# KiCad board sbc.kicad_pcb (continued)
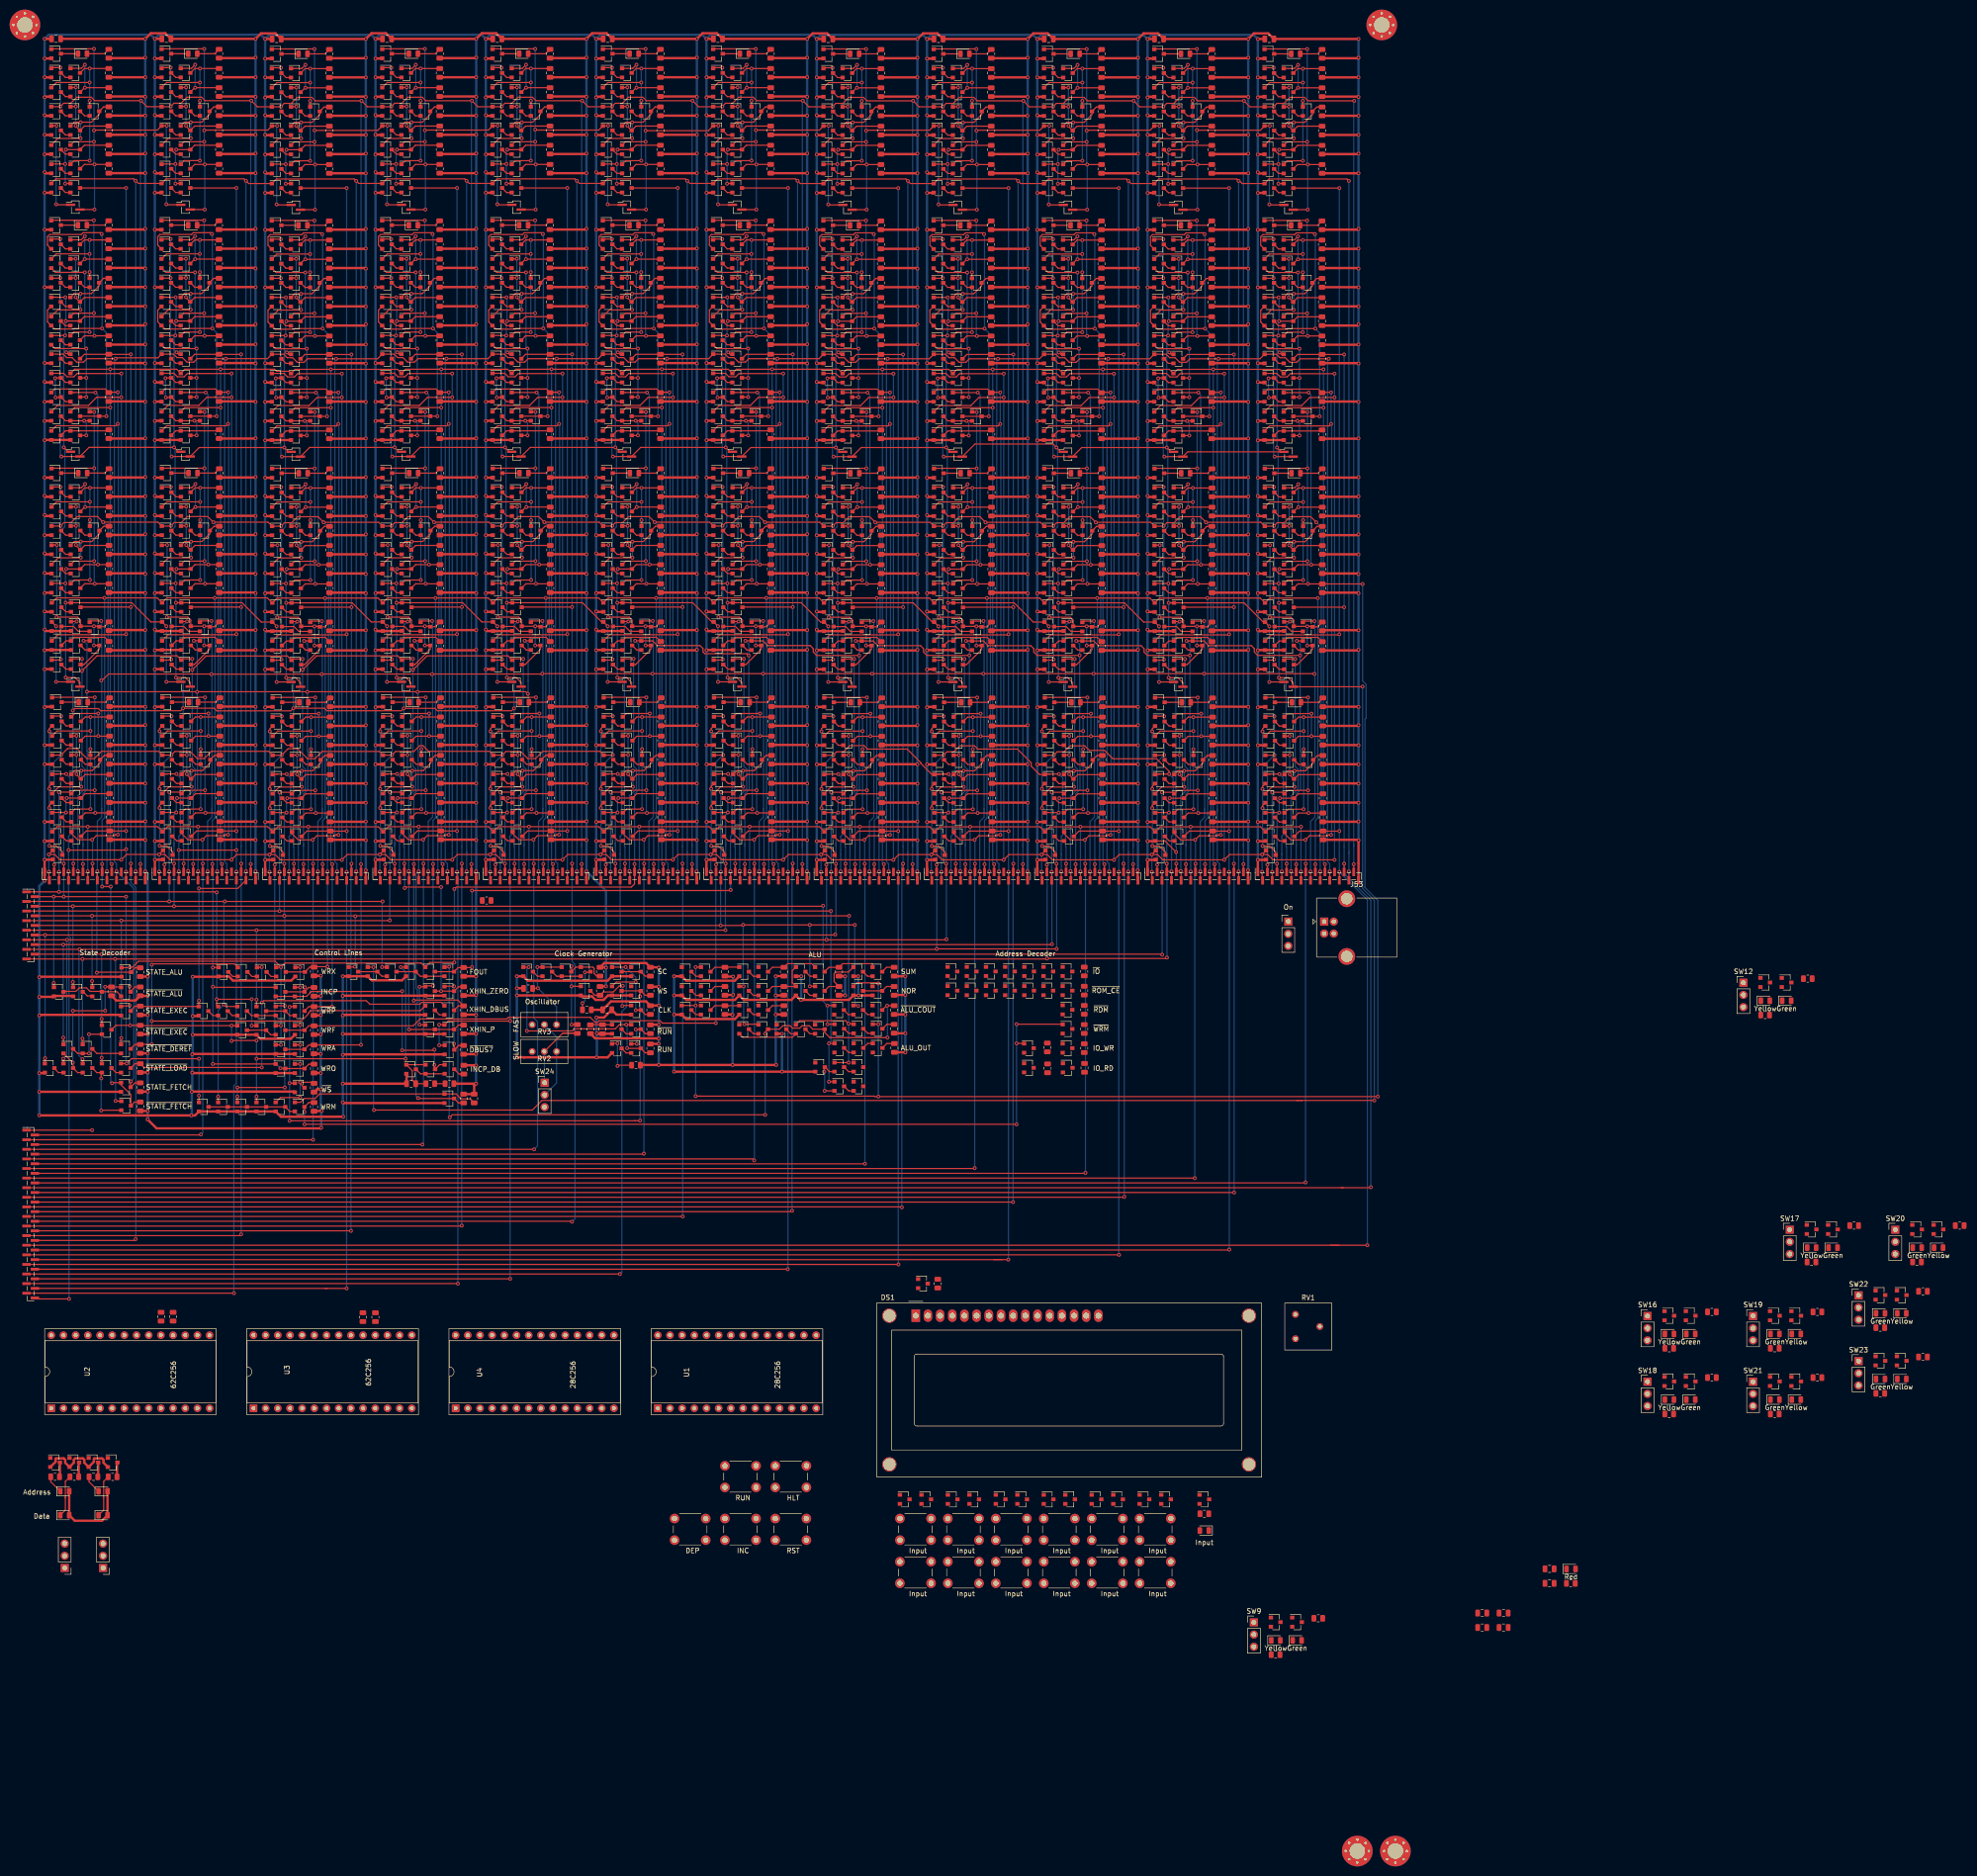
[diagram p0: board, top side]
## Nets (continued)
/Bit 1/S Register/State FF/CLR: Q518.3 Q1024.2 Q1025.2 Q1030.2
/Bit 1/X Register/X DFF/D: Q966.3 Q968.3 Q969.3 Q970.3 Q989.1 R404.2
/Bit 1/~{XIN}: J39.2 J43.1 Q884.1 Q895.1 Q898.3 Q910.1 Q974.1 R375.2
/Bit 2/A Register/A DFF/~{Q}: Q867.1 Q871.1 Q874.3 R366.2
/Bit 2/AIN: J34.2 J38.1 Q786.3 Q790.1 Q791.1 Q882.1 R329.2
/Bit 2/INCP_CLK: J40.2 J44.1 Q926.1 Q929.1 Q973.1 Q990.1 Q1003.1 Q1006.3 Q1014.1 R418.2
/Bit 2/P Register/P DFF/CLR: Q911.3 Q912.3 Q925.2 Q926.2 Q931.2
/Bit 2/P Register/P DFF/Q: Q918.3 Q922.1 Q923.1 R381.2
/Bit 2/P Register/P DFF/SET: Q909.3 Q910.3 Q920.2 Q921.2
/Bit 2/S Register/State FF/CLR: Q517.3 Q941.2 Q942.2 Q947.2
/Bit 2/X Register/X DFF/D: Q883.3 Q885.3 Q886.3 Q887.3 Q906.1 R370.2
/Bit 2/XOUT: Q893.3 Q897.1 Q898.1 Q912.1 R372.2
/Bit 2/~{XIN}: J35.2 J39.1 Q801.1 Q812.1 Q815.3 Q827.1 Q891.1 R341.2
/Bit 3/A Register/A DFF/~{Q}: Q784.1 Q788.1 Q791.3 R332.2
/Bit 3/AIN: J30.2 J34.1 Q703.3 Q707.1 Q708.1 Q799.1 R295.2
/Bit 3/INCP_CLK: J36.2 J40.1 Q843.1 Q846.1 Q890.1 Q907.1 Q920.1 Q923.3 Q931.1 R384.2
/Bit 3/P Register/P DFF/CLR: Q828.3 Q829.3 Q842.2 Q843.2 Q848.2
/Bit 3/P Register/P DFF/Q: Q835.3 Q839.1 Q840.1 R347.2
/Bit 3/P Register/P DFF/SET: Q826.3 Q827.3 Q837.2 Q838.2
/Bit 3/S Register/State FF/CLR: Q435.3 Q858.2 Q859.2 Q864.2
/Bit 3/SOUT: J33.4 Q851.3 Q855.1 Q856.1 R354.2
/Bit 3/X Register/X DFF/D: Q800.3 Q802.3 Q803.3 Q804.3 Q823.1 R336.2
/Bit 3/XOUT: Q810.3 Q814.1 Q815.1 Q829.1 R338.2
/Bit 3/~{XIN}: J31.2 J35.1 Q718.1 Q729.1 Q732.3 Q744.1 Q808.1 R307.2
/Bit 4/A Register/A DFF/~{Q}: Q701.1 Q705.1 Q708.3 R298.2
/Bit 4/AIN: J26.2 J30.1 Q620.3 Q624.1 Q625.1 Q716.1 R261.2
/Bit 4/INCP_CLK: J32.2 J36.1 Q760.1 Q763.1 Q807.1 Q824.1 Q837.1 Q840.3 Q848.1 R350.2
/Bit 4/P Register/P DFF/CLR: Q745.3 Q746.3 Q759.2 Q760.2 Q765.2
/Bit 4/P Register/P DFF/Q: Q752.3 Q756.1 Q757.1 R313.2
/Bit 4/P Register/P DFF/SET: Q743.3 Q744.3 Q754.2 Q755.2
/Bit 4/S Register/State FF/CLR: Q434.3 Q775.2 Q776.2 Q781.2
/Bit 4/SOUT: J29.4 Q768.3 Q772.1 Q773.1 R320.2
/Bit 4/X Register/X DFF/D: Q717.3 Q719.3 Q720.3 Q721.3 Q740.1 R302.2
/Bit 4/XOUT: Q727.3 Q731.1 Q732.1 Q746.1 R304.2
/Bit 4/~{XIN}: J27.2 J31.1 Q635.1 Q646.1 Q649.3 Q661.1 Q725.1 R273.2
/Bit 5/A Register/A DFF/~{Q}: Q618.1 Q622.1 Q625.3 R264.2
/Bit 5/AIN: J22.2 J26.1 Q537.3 Q541.1 Q542.1 Q633.1 R227.2
/Bit 5/INCP_CLK: J28.2 J32.1 Q677.1 Q680.1 Q724.1 Q741.1 Q754.1 Q757.3 Q765.1 R316.2
/Bit 5/P Register/P DFF/CLR: Q662.3 Q663.3 Q676.2 Q677.2 Q682.2
/Bit 5/P Register/P DFF/Q: Q669.3 Q673.1 Q674.1 R279.2
/Bit 5/P Register/P DFF/SET: Q660.3 Q661.3 Q671.2 Q672.2
/Bit 5/S Register/State FF/CLR: Q352.3 Q692.2 Q693.2 Q698.2
/Bit 5/X Register/X DFF/D: Q634.3 Q636.3 Q637.3 Q638.3 Q657.1 R268.2
/Bit 5/XOUT: Q644.3 Q648.1 Q649.1 Q663.1 R270.2
/Bit 5/~{XIN}: J23.2 J27.1 Q552.1 Q563.1 Q566.3 Q578.1 Q642.1 R239.2
/Bit 6/A Register/A DFF/~{Q}: Q535.1 Q539.1 Q542.3 R230.2
/Bit 6/AIN: J18.2 J22.1 Q454.3 Q458.1 Q459.1 Q550.1 R193.2
/Bit 6/INCP_CLK: J24.2 J28.1 Q594.1 Q597.1 Q641.1 Q658.1 Q671.1 Q674.3 Q682.1 R282.2
/Bit 6/P Register/P DFF/CLR: Q579.3 Q580.3 Q593.2 Q594.2 Q599.2
/Bit 6/P Register/P DFF/Q: Q586.3 Q590.1 Q591.1 R245.2
/Bit 6/P Register/P DFF/SET: Q577.3 Q578.3 Q588.2 Q589.2
/Bit 6/S Register/State FF/CLR: Q351.3 Q609.2 Q610.2 Q615.2
/Bit 6/SOUT: J21.4 Q602.3 Q606.1 Q607.1 R252.2
/Bit 6/X Register/X DFF/D: Q551.3 Q553.3 Q554.3 Q555.3 Q574.1 R234.2
/Bit 6/XOUT: Q561.3 Q565.1 Q566.1 Q580.1 R236.2
/Bit 6/~{SOUT}: J21.5 Q604.1 Q607.3 R255.2
/Bit 6/~{XIN}: J19.2 J23.1 Q469.1 Q480.1 Q483.3 Q495.1 Q559.1 R205.2
/Bit 7/A Register/A DFF/~{Q}: Q452.1 Q456.1 Q459.3 R196.2
/Bit 7/AIN: J14.2 J18.1 Q371.3 Q375.1 Q376.1 Q467.1 R159.2
/Bit 7/INCP_CLK: J20.2 J24.1 Q511.1 Q514.1 Q558.1 Q575.1 Q588.1 Q591.3 Q599.1 R248.2
/Bit 7/P Register/P DFF/CLR: Q496.3 Q497.3 Q510.2 Q511.2 Q516.2
/Bit 7/P Register/P DFF/Q: Q503.3 Q507.1 Q508.1 R211.2
/Bit 7/P Register/P DFF/SET: Q494.3 Q495.3 Q505.2 Q506.2
/Bit 7/S Register/State FF/CLR: Q153.3 Q526.2 Q527.2 Q532.2
/Bit 7/SOUT: J17.4 Q519.3 Q523.1 Q524.1 R218.2
/Bit 7/X Register/X DFF/D: Q468.3 Q470.3 Q471.3 Q472.3 Q491.1 R200.2
/Bit 7/XOUT: Q478.3 Q482.1 Q483.1 Q497.1 R202.2
/Bit 7/~{SOUT}: J17.5 Q521.1 Q524.3 R221.2
/Bit 7/~{XIN}: J15.2 J19.1 Q386.1 Q397.1 Q400.3 Q412.1 Q476.1 R171.2
/Bit 8/A Register/A DFF/~{Q}: Q369.1 Q373.1 Q376.3 R162.2
/Bit 8/AIN: J10.2 J14.1 Q288.3 Q292.1 Q293.1 Q384.1 R125.2
/Bit 8/INCP_CLK: J16.2 J20.1 Q428.1 Q431.1 Q475.1 Q492.1 Q505.1 Q508.3 Q516.1 R214.2
/Bit 8/P Register/P DFF/CLR: Q413.3 Q414.3 Q427.2 Q428.2 Q433.2
/Bit 8/P Register/P DFF/Q: Q420.3 Q424.1 Q425.1 R177.2
/Bit 8/P Register/P DFF/SET: Q411.3 Q412.3 Q422.2 Q423.2
/Bit 8/S Register/State FF/CLR: Q152.3 Q443.2 Q444.2 Q449.2
/Bit 8/X Register/X DFF/D: Q385.3 Q387.3 Q388.3 Q389.3 Q408.1 R166.2
/Bit 8/XOUT: Q395.3 Q399.1 Q400.1 Q414.1 R168.2
/Bit 8/~{SOUT}: J13.5 Q438.1 Q441.3 R187.2
/Bit 8/~{XIN}: J11.2 J15.1 Q303.1 Q314.1 Q317.3 Q329.1 Q393.1 R137.2
/Bit 9/A Register/A DFF/~{Q}: Q286.1 Q290.1 Q293.3 R128.2
/Bit 9/AIN: J6.2 J10.1 Q89.3 Q93.1 Q94.1 Q301.1 R38.2
/Bit 9/INCP_CLK: J12.2 J16.1 Q345.1 Q348.1 Q392.1 Q409.1 Q422.1 Q425.3 Q433.1 R180.2
/Bit 9/P Register/P DFF/CLR: Q330.3 Q331.3 Q344.2 Q345.2 Q350.2
/Bit 9/P Register/P DFF/Q: Q337.3 Q341.1 Q342.1 R143.2
/Bit 9/P Register/P DFF/SET: Q328.3 Q329.3 Q339.2 Q340.2
/Bit 9/S Register/State FF/CLR: Q71.3 Q360.2 Q361.2 Q366.2
/Bit 9/X Register/X DFF/D: Q302.3 Q304.3 Q305.3 Q306.3 Q325.1 R132.2
/Bit 9/XOUT: Q312.3 Q316.1 Q317.1 Q331.1 R134.2
/Bit 9/~{XIN}: J7.2 J11.1 Q104.1 Q115.1 Q118.3 Q130.1 Q310.1 R50.2
/Bit 10/A Register/A DFF/~{Q}: Q87.1 Q91.1 Q94.3 R41.2
/Bit 10/AIN: J2.2 J6.1 Q4.1 Q7.3 Q11.1 Q102.1 R5.2
/Bit 10/INCP_CLK: J8.2 J12.1 Q146.1 Q149.1 Q309.1 Q326.1 Q339.1 Q342.3 Q350.1 R146.2
/Bit 10/P Register/P DFF/CLR: Q131.3 Q132.3 Q145.2 Q146.2 Q151.2
/Bit 10/P Register/P DFF/Q: Q138.3 Q142.1 Q143.1 R56.2
/Bit 10/P Register/P DFF/SET: Q129.3 Q130.3 Q140.2 Q141.2
/Bit 10/S Register/State FF/CLR: Q70.3 Q161.2 Q162.2 Q167.2
/Bit 10/X Register/X DFF/D: Q103.3 Q105.3 Q106.3 Q107.3 Q126.1 R45.2
/Bit 10/XOUT: Q113.3 Q117.1 Q118.1 Q132.1 R47.2
/Bit 10/~{XIN}: J3.2 J7.1 Q22.1 Q33.1 Q35.3 Q48.1 Q111.1 R16.2
/Bit 11/A Register/A DFF/~{Q}: Q5.1 Q9.1 Q11.3 R7.2
/Bit 11/INCP_CLK: J5.2 J8.1 Q63.1 Q66.1 Q110.1 Q127.1 Q140.1 Q143.3 Q151.1 R59.2
/Bit 11/P Register/P DFF/CLR: Q49.3 Q50.3 Q62.2 Q63.2 Q68.2
/Bit 11/P Register/P DFF/Q: Q44.1 Q56.3 Q60.1 R23.2
/Bit 11/P Register/P DFF/SET: Q47.3 Q48.3 Q58.2 Q59.2
/Bit 11/S Register/State FF/CLR: Q1.3 Q78.2 Q79.2 Q84.2
/Bit 11/X Register/X DFF/D: Q21.3 Q23.3 Q24.3 Q25.3 Q43.1 R12.2
/Bit 11/XOUT: Q20.1 Q31.3 Q35.1 Q50.1 R14.2
/Bit 11/~{P}: J5.1 Q28.1 Q45.1 Q58.1 Q60.3 Q68.1 R25.2
A0: J46.2 Q243.1 Q245.1 Q282.1 Q1035.3 Q1039.1 Q1040.1 R431.2
ABUS0: J45.19 J50.13 Q601.1 Q1050.3 Q1073.3 Q1144.1 R429.2 U1.10 U2.10 U3.10 U4.10
ABUS1: J41.19 J50.14 Q683.1 Q967.3 Q990.3 Q1142.1 R395.2 U1.9 U2.9 U3.9 U4.9
ABUS2: J37.19 J50.15 Q684.1 Q884.3 Q907.3 Q1140.1 R361.2 U1.8 U2.8 U3.8 U4.8
ABUS3: J33.19 J50.16 Q766.1 Q801.3 Q824.3 Q1138.1 R327.2 U1.7 U2.7 U3.7 U4.7
ABUS4: J29.19 J50.17 Q718.3 Q741.3 Q767.1 Q1136.1 R293.2 U1.6 U2.6 U3.6 U4.6
ABUS5: J25.19 J50.18 Q635.3 Q658.3 Q849.1 Q1134.1 R259.2 U1.5 U2.5 U3.5 U4.5
ABUS6: J21.19 J50.19 Q552.3 Q575.3 Q850.1 Q1132.1 R225.2 U1.4 U2.4 U3.4 U4.4
ABUS7: J17.19 J50.20 Q469.3 Q492.3 Q932.1 Q1130.1 R191.2 U1.3 U2.3 U3.3 U4.3
ABUS8: J13.19 J50.21 Q386.3 Q409.3 Q933.1 Q1128.1 R157.2 U1.25 U2.25 U3.25 U4.25
ABUS9: J9.19 J50.22 Q303.3 Q326.3 Q1015.1 Q1124.1 R123.2 U1.24 U2.24 U3.24 U4.24
ABUS10: J4.19 J50.23 Q104.3 Q127.3 Q1016.1 Q1121.1 R36.2 U1.21 U2.21 U3.21 U4.21
ABUS11: J1.19 J50.24 Q22.3 Q45.3 Q1098.1 Q1099.1 Q1119.1 R2.2 U2.20 U3.20
ALU_NOR: Q271.1 Q282.3 Q283.3 R122.2
ALU_OUT: J2.1 Q19.1 Q261.3 R119.2
ALU_SUM: Q257.3 Q272.1 R117.2
CDIV: J45.4 Q234.1 Q1100.3 Q1104.1 Q1105.1 R456.2
CLK: J45.3 Q226.1 Q231.3 Q233.1 Q1108.1 Q1111.1 R97.2
DBUS0: DS1.7 J45.18 J50.25 Q1031.3 Q1033.3 Q1058.1 Q1145.1 R430.2 SW31.1 U1.11 U2.11
DBUS1: DS1.8 J41.18 J50.26 Q948.3 Q950.3 Q975.1 Q1143.1 R396.2 SW30.1 U1.12 U2.12
DBUS2: DS1.9 J37.18 J50.27 Q865.3 Q867.3 Q892.1 Q1141.1 R362.2 SW29.1 U1.13 U2.13
DBUS3: DS1.10 J33.18 J50.28 Q782.3 Q784.3 Q809.1 Q1139.1 R328.2 SW28.1 U1.15 U2.15
DBUS4: DS1.11 J29.18 J50.29 Q699.3 Q701.3 Q726.1 Q1137.1 R294.2 SW27.1 U1.16 U2.16
DBUS5: DS1.12 J25.18 J50.30 Q616.3 Q618.3 Q643.1 Q1135.1 R260.2 SW26.1 U1.17 U2.17
DBUS6: DS1.13 J21.6 J21.18 J50.31 Q533.3 Q535.3 Q560.1 Q615.1 Q1133.1 R226.2 SW25.1 U3.11 U4.11
DBUS7: DS1.14 J17.6 J17.18 J50.32 Q191.1 Q197.1 Q450.3 Q452.3 Q477.1 Q532.1 Q1131.1 R192.2 SW15.1 U3.12 U4.12
DBUS8: J13.6 J13.18 J50.33 Q367.3 Q369.3 Q394.1 Q449.1 Q1127.1 Q1129.1 R158.2 SW14.1 U3.13 U4.13
DBUS9: J9.6 J9.18 J50.34 Q284.3 Q286.3 Q311.1 Q366.1 Q1125.1 R124.2 SW11.1 U3.15 U4.15
DBUS10: J4.6 J4.18 J50.35 Q85.3 Q87.3 Q112.1 Q167.1 Q1122.1 R37.2 SW10.1 U3.16 U4.16
DBUS11: J1.6 J1.18 J50.36 Q2.3 Q5.3 Q30.1 Q84.1 Q1120.1 R3.2 SW1.1 U3.17 U4.17
DEP: J1.10 J4.10 J9.10 J13.10 J17.10 J21.10 J25.10 J29.10 J33.10 J37.10 J41.10 J45.10 Q3.1 Q86.1 Q285.1 Q368.1 Q451.1 Q534.1 Q617.1 Q700.1 Q783.1 Q866.1 Q949.1 Q1032.1 Q1123.3 R478.2
F: J25.4 J49.8 Q259.1 Q262.1 Q265.1 Q267.1 Q685.3 Q689.1 Q690.1 R286.2
FAST_IN: RV2.3 RV3.2 SW24.2
FAST_OUT: R93.1 RV2.2 SW24.1
INCP_CLK: J48.2 Q195.3 Q196.3 Q1092.1 Q1095.1 R84.2
INCP_DB: Q195.2 Q196.2 Q240.3 Q241.1
IO_RD: Q249.3 Q1117.1 Q1146.1 Q1147.1 Q1148.1 Q1149.1 Q1150.1 Q1151.1 Q1152.1 Q1153.1 Q1154.1 Q1155.1 Q1156.1 Q1157.1 R94.2
IO_WR: DS1.6 Q1126.3 R463.2
NEXTF: J25.6 Q212.3 Q213.3 Q698.1 R90.2
OP2: J13.4 J49.7 Q169.1 Q436.3 Q440.1 Q441.1 R184.2
OP3: J9.4 J49.5 Q269.1 Q276.1 Q278.1 Q353.3 Q357.1 Q358.1 R150.2
OP4: J4.4 J49.3 Q154.3 Q158.1 Q159.1 Q211.1 Q216.1 Q222.1 Q279.1 Q281.1 R63.2
OP5: J1.4 J49.1 Q69.1 Q72.3 Q76.1 Q206.1 Q214.1 R30.2
RDA_DBUS: J1.20 J4.20 J9.20 J13.20 J17.20 J21.20 J25.20 J29.20 J33.20 J37.20 J41.20 J45.20 Q6.1 Q88.1 Q184.3 Q215.1 Q287.1 Q370.1 Q453.1 Q536.1 Q619.1 Q702.1 Q785.1 Q868.1 Q951.1 Q1034.1 R78.2
RDM: Q173.3 Q184.1 Q205.1 Q217.1 Q224.1 Q250.1 Q1116.1 R73.2
RDP_ABUS: J1.16 J4.16 J9.16 J13.16 J17.16 J21.16 J25.16 J29.16 J33.16 J37.16 J41.16 J45.16 Q46.1 Q128.1 Q183.3 Q327.1 Q410.1 Q493.1 Q576.1 Q659.1 Q742.1 Q825.1 Q908.1 Q991.1 Q1074.1 R77.2
RDX_ABUS: J1.13 J4.13 J9.13 J13.13 J17.13 J21.13 J25.13 J29.13 J33.13 J37.13 J41.13 J45.13 Q27.1 Q109.1 Q170.3 Q183.1 Q185.1 Q187.1 Q190.1 Q195.1 Q210.1 Q308.1 Q391.1 Q474.1 Q557.1 Q640.1 Q723.1 Q806.1 Q889.1 Q972.1 Q1055.1 R70.2
RUN: Q235.1 Q236.1 Q237.3 R101.2
S0: J41.4 J49.14 Q171.1 Q173.1 Q1017.3 Q1021.1 Q1022.1 R422.2
S1: J37.4 J49.12 Q174.1 Q934.3 Q938.1 Q939.1 R388.2
SC: J41.3 Q226.3 Q227.3 Q1025.1 Q1028.1 R92.2
STATE_ALU: J1.12 J4.12 J9.12 J13.12 J17.12 J21.12 J25.12 J29.12 J33.12 J37.12 J41.12 J45.12 Q24.1 Q106.1 Q177.3 Q305.1 Q388.1 Q471.1 Q554.1 Q637.1 Q720.1 Q803.1 Q886.1 Q969.1 Q1052.1 R75.2
WRA: J1.21 J4.21 J9.21 J13.21 J17.21 J21.21 J25.21 J29.21 J33.21 J37.21 J41.21 J45.21 Q14.1 Q17.1 Q97.1 Q100.1 Q193.3 Q194.3 Q296.1 Q299.1 Q379.1 Q382.1 Q462.1 Q465.1 Q545.1 Q548.1 Q628.1 Q631.1 Q711.1 Q714.1 Q794.1 Q797.1 Q877.1 Q880.1 Q960.1 Q963.1 Q1043.1 Q1046.1 R83.2
WRF: J25.3 Q199.3 Q200.3 Q693.1 Q696.1 R87.2
WRM: Q218.3 Q1115.1 Q1118.1 R91.2
WRO: J1.3 J4.3 J9.3 J13.3 J17.3 J21.3 Q79.1 Q82.1 Q162.1 Q165.1 Q185.3 Q186.3 Q361.1 Q364.1 Q444.1 Q447.1 Q527.1 Q530.1 Q610.1 Q613.1 R79.2
WRX: J1.14 J4.14 J9.14 J13.14 J17.14 J21.14 J25.14 J29.14 J33.14 J37.14 J41.14 J45.14 Q38.1 Q41.1 Q121.1 Q124.1 Q201.3 Q202.3 Q320.1 Q323.1 Q403.1 Q406.1 Q486.1 Q489.1 Q569.1 Q572.1 Q652.1 Q655.1 Q735.1 Q738.1 Q818.1 Q821.1 Q901.1 Q904.1 Q984.1 Q987.1 Q1067.1 Q1070.1 R88.2
WS: Q198.1 Q203.1 Q233.3 Q234.3 R98.2
X0: Q247.1 Q251.1 Q270.1 Q283.1 Q1059.3 Q1063.1 Q1064.1 Q1078.1 R440.2
X1: Q273.1 Q976.3 Q980.1 Q981.1 Q995.1 R406.2
XHIN_DBUS: J1.9 J4.9 J9.9 J13.9 J17.9 Q21.1 Q103.1 Q189.3 Q302.1 Q385.1 Q468.1 R81.2
XHIN_P: J1.8 J4.8 J9.8 J13.8 J17.8 Q23.1 Q105.1 Q190.3 Q191.3 Q304.1 Q387.1 Q470.1 R82.2
XHIN_ZERO: J1.7 J4.7 J9.7 J13.7 J17.7 Q25.1 Q107.1 Q187.3 Q188.3 Q306.1 Q389.1 Q472.1 R80.2
XLIN_DBUS: J21.9 J25.9 J29.9 J33.9 J37.9 J41.9 J45.9 Q176.3 Q177.1 Q193.1 Q199.1 Q201.1 Q213.1 Q551.1 Q634.1 Q717.1 Q800.1 Q883.1 Q966.1 Q1049.1 R74.2
~{ALU_COUT}: Q212.1 Q263.3 Q264.3 Q265.3 R118.2
~{ALU_OUT}: Q261.1 Q263.1 Q270.3 Q271.3 Q272.3 Q273.3 R121.2
~{CDIV}: J45.5 J45.6 Q227.1 Q1102.1 Q1105.3 Q1113.1 R459.2
~{DBUS7}: Q188.1 Q197.3 R85.2
~{DBUS8}: DS1.4 Q1127.3 R481.2
~{DEP_SW}: Q218.1 Q1123.1 R477.2 SW5.1
~{F}: J25.5 J49.9 Q209.1 Q687.1 Q690.3 R289.2
~{INCP_SW}: R103.2 R106.2 SW8.1
~{IO}: Q250.2 Q601.3 Q1114.1 Q1118.2 R470.2
~{OP3}: J9.5 J49.6 Q179.1 Q208.1 Q219.1 Q223.1 Q268.1 Q275.1 Q277.1 Q355.1 Q358.3 R153.2
~{OP4}: J4.5 J49.4 Q156.1 Q159.3 Q182.1 Q274.1 Q280.1 R66.2
~{OP5}: J1.5 J49.2 Q74.1 Q76.3 Q168.1 Q180.1 Q221.1 R32.2
~{RDM}: Q1116.3 R473.2 U1.22 U2.22 U3.22 U4.22
~{ROM_CE}: Q1098.3 R471.2 U1.20 U4.20
~{RST}: J1.2 J4.2 J9.2 J13.2 J17.2 J21.2 J25.2 J29.2 J33.2 J37.2 J41.2 J45.2 Q1.1 Q51.1 Q53.1 Q70.1 Q71.1 Q133.1 Q135.1 Q152.1 Q153.1 Q332.1 Q334.1 Q351.1 Q352.1 Q415.1 Q417.1 Q434.1 Q435.1 Q498.1 Q500.1 Q517.1 Q518.1 Q581.1 Q583.1 Q600.1 Q664.1 Q666.1 Q747.1 Q749.1 Q830.1 Q832.1 Q913.1 Q915.1 Q996.1 Q998.1 Q1079.1 Q1081.1 R476.2 SW4.1
~{S0}: J37.3 J41.5 J41.6 J49.15 Q170.1 Q172.1 Q942.1 Q945.1 Q1019.1 Q1022.3 Q1030.1 R425.2
~{S1}: J33.3 J37.5 J37.6 J49.13 Q175.1 Q859.1 Q862.1 Q936.1 Q939.3 Q947.1 R391.2
~{S2}: J29.3 J33.5 J33.6 J49.11 Q178.1 Q776.1 Q779.1 Q853.1 Q856.3 Q864.1 R357.2
~{S3}: J29.5 J29.6 J49.10 Q181.1 Q770.1 Q773.3 Q781.1 R323.2
~{START_SW}: Q239.1 R104.2 SW6.1
~{STATE_DEREF}: Q169.3 Q192.1 Q207.1 R72.2
~{STATE_LOAD}: Q168.3 Q189.1 Q204.1 R71.2
~{STOP_SW}: C5.2 Q238.1 R102.2 SW7.1
~{SW0}: J45.11 J50.12 Q1031.1 Q1080.1 Q1083.1 R447.2 SW23.2
~{SW1}: J41.11 J50.11 Q948.1 Q997.1 Q1000.1 R413.2 SW22.2
~{SW2}: J37.11 J50.10 Q865.1 Q914.1 Q917.1 R379.2 SW21.2
~{SW3}: J33.11 J50.9 Q782.1 Q831.1 Q834.1 R345.2 SW20.2
~{SW4}: J29.11 J50.8 Q699.1 Q748.1 Q751.1 R311.2 SW19.2
~{SW5}: J25.11 J50.7 Q616.1 Q665.1 Q668.1 R277.2 SW18.2
~{SW6}: J21.11 J50.6 Q533.1 Q582.1 Q585.1 R243.2 SW17.2
~{SW7}: J17.11 J50.5 Q450.1 Q499.1 Q502.1 R209.2 SW16.2
~{SW8}: J13.11 J50.4 Q367.1 Q416.1 Q419.1 R175.2 SW12.2
~{SW9}: J9.11 J50.3 Q284.1 Q333.1 Q336.1 R141.2 SW9.2
~{SW10}: J4.11 J50.2 Q85.1 Q134.1 Q137.1 R54.2 SW3.2
~{SW11}: J1.11 J50.1 Q2.1 Q52.1 Q55.1 R21.2 SW2.2
~{WRM}: Q1115.3 R472.2 U2.27 U3.27
~{WRP}: J1.15 J4.15 J9.15 J13.15 J17.15 J21.15 J25.15 J29.15 J33.15 J37.15 J41.15 J45.15 Q47.1 Q49.1 Q129.1 Q131.1 Q203.3 Q328.1 Q330.1 Q411.1 Q413.1 Q494.1 Q496.1 Q577.1 Q579.1 Q660.1 Q662.1 Q743.1 Q745.1 Q826.1 Q828.1 Q909.1 Q911.1 Q992.1 Q994.1 Q1075.1 Q1077.1 R89.2
~{WS}: Q186.1 Q194.1 Q196.1 Q198.3 Q200.1 Q202.1 Q225.1 R86.2
~{X0}: J47.2 Q220.1 Q1050.1 Q1061.1 Q1064.3 Q1076.1 R443.2
Net-(C4-Pad2): C4.2 Q228.1 Q232.1 RV3.3
Net-(C6-Pad2): C6.2 Q240.1 Q242.1 R106.1
Net-(D1-Pad1): D1.1 Q4.3
Net-(D1-Pad2): D1.2 R4.2
Net-(D2-Pad1): D2.1 Q20.3
Net-(D2-Pad2): D2.2 R11.2
Net-(D3-Pad1): D3.1 Q44.3
Net-(D3-Pad2): D3.2 R20.2
Net-(D4-Pad1): D4.1 Q69.3
Net-(D4-Pad2): D4.2 R29.2
Net-(D5-Pad1): D5.1 Q93.3
Net-(D5-Pad2): D5.2 R40.2
Net-(D6-Pad1): D6.1 Q117.3
Net-(D6-Pad2): D6.2 R49.2
Net-(D7-Pad1): D7.1 Q142.3
Net-(D7-Pad2): D7.2 R58.2
Net-(D8-Pad1): D8.1 Q158.3
Net-(D8-Pad2): D8.2 R65.2
Net-(D9-Pad1): D9.1 Q292.3
Net-(D9-Pad2): D9.2 R127.2
Net-(D10-Pad1): D10.1 Q316.3
Net-(D10-Pad2): D10.2 R136.2
Net-(D11-Pad1): D11.1 Q341.3
Net-(D11-Pad2): D11.2 R145.2
Net-(D12-Pad1): D12.1 Q357.3
Net-(D12-Pad2): D12.2 R152.2
Net-(D13-Pad1): D13.1 Q375.3
Net-(D13-Pad2): D13.2 R161.2
Net-(D14-Pad1): D14.1 Q399.3
Net-(D14-Pad2): D14.2 R170.2
Net-(D15-Pad1): D15.1 Q424.3
Net-(D15-Pad2): D15.2 R179.2
Net-(D16-Pad1): D16.1 Q440.3
Net-(D16-Pad2): D16.2 R186.2
Net-(D17-Pad1): D17.1 Q458.3
Net-(D17-Pad2): D17.2 R195.2
Net-(D18-Pad1): D18.1 Q482.3
Net-(D18-Pad2): D18.2 R204.2
Net-(D19-Pad1): D19.1 Q507.3
Net-(D19-Pad2): D19.2 R213.2
Net-(D20-Pad1): D20.1 Q523.3
Net-(D20-Pad2): D20.2 R220.2
Net-(D21-Pad1): D21.1 Q541.3
Net-(D21-Pad2): D21.2 R229.2
Net-(D22-Pad1): D22.1 Q565.3
Net-(D22-Pad2): D22.2 R238.2
Net-(D23-Pad1): D23.1 Q590.3
Net-(D23-Pad2): D23.2 R247.2
Net-(D24-Pad1): D24.1 Q606.3
Net-(D24-Pad2): D24.2 R254.2
Net-(D25-Pad1): D25.1 Q624.3
Net-(D25-Pad2): D25.2 R263.2
Net-(D26-Pad1): D26.1 Q648.3
Net-(D26-Pad2): D26.2 R272.2
Net-(D27-Pad1): D27.1 Q673.3
Net-(D27-Pad2): D27.2 R281.2
Net-(D28-Pad1): D28.1 Q689.3
Net-(D28-Pad2): D28.2 R288.2
Net-(D29-Pad1): D29.1 Q707.3
Net-(D29-Pad2): D29.2 R297.2
Net-(D30-Pad1): D30.1 Q731.3
Net-(D30-Pad2): D30.2 R306.2
Net-(D31-Pad1): D31.1 Q756.3
Net-(D31-Pad2): D31.2 R315.2
Net-(D32-Pad1): D32.1 Q772.3
Net-(D32-Pad2): D32.2 R322.2
Net-(D33-Pad1): D33.1 Q790.3
Net-(D33-Pad2): D33.2 R331.2
Net-(D34-Pad1): D34.1 Q814.3
Net-(D34-Pad2): D34.2 R340.2
Net-(D35-Pad1): D35.1 Q839.3
Net-(D35-Pad2): D35.2 R349.2
Net-(D36-Pad1): D36.1 Q855.3
Net-(D36-Pad2): D36.2 R356.2
Net-(D37-Pad1): D37.1 Q873.3
Net-(D37-Pad2): D37.2 R365.2
Net-(D38-Pad1): D38.1 Q897.3
Net-(D38-Pad2): D38.2 R374.2
Net-(D39-Pad1): D39.1 Q922.3
Net-(D39-Pad2): D39.2 R383.2
Net-(D40-Pad1): D40.1 Q938.3
Net-(D40-Pad2): D40.2 R390.2
Net-(D41-Pad1): D41.1 Q956.3
Net-(D41-Pad2): D41.2 R399.2
Net-(D42-Pad1): D42.1 Q980.3
Net-(D42-Pad2): D42.2 R408.2
Net-(D43-Pad1): D43.1 Q1005.3
Net-(D43-Pad2): D43.2 R417.2
Net-(D44-Pad1): D44.1 Q1021.3
Net-(D44-Pad2): D44.2 R424.2
Net-(D45-Pad1): D45.1 Q1039.3
Net-(D45-Pad2): D45.2 R433.2
Net-(D46-Pad1): D46.1 Q1063.3
Net-(D46-Pad2): D46.2 R442.2
Net-(D47-Pad1): D47.1 Q1088.3
Net-(D47-Pad2): D47.2 R451.2
Net-(D48-Pad1): D48.1 Q1104.3
Net-(D48-Pad2): D48.2 R458.2
Net-(D49-Pad1): D49.1 R466.1
Net-(D50-Pad1): D50.1 R468.1
Net-(D51-Pad1): D51.1 R474.1
Net-(D52-Pad1): D52.1 R475.1
Net-(D53-Pad1): D53.1 R479.1
Net-(D54-Pad1): D54.1 R480.1
Net-(D55-Pad1): D55.1 R482.1
Net-(D56-Pad1): D56.1 R483.1
Net-(D57-Pad1): D57.1 R484.1
Net-(D58-Pad1): D58.1 R485.1
Net-(D59-Pad1): D59.1 R486.1
Net-(D60-Pad1): D60.1 R487.1
Net-(D61-Pad1): D61.1 R488.1
Net-(D62-Pad1): D62.1 R489.1
Net-(D63-Pad1): D63.1 R490.1
Net-(D64-Pad1): D64.1 R491.1
Net-(D65-Pad1): D65.1 R492.1
Net-(D66-Pad1): D66.1 R493.1
Net-(D67-Pad1): D67.1 R494.1
Net-(D68-Pad1): D68.1 R495.1
Net-(D69-Pad1): D69.1 R496.1
Net-(D70-Pad1): D70.1 R497.1
Net-(D71-Pad1): D71.1 R498.1
Net-(D72-Pad1): D72.1 R499.1
Net-(D73-Pad2): D73.2 R111.2
Net-(D74-Pad1): D74.1 Q1157.3
Net-(D74-Pad2): D74.2 R112.2
Net-(DS1-Pad3): DS1.3 RV1.2
Net-(J53-Pad1): J53.1 SW13.1
Net-(Q2-Pad2): Q2.2 Q3.3
Net-(Q5-Pad2): Q5.2 Q6.3
Net-(Q7-Pad2): Q7.2 Q9.3
Net-(Q10-Pad1): Q7.1 Q10.1 Q12.3 Q15.1 R8.2
Net-(Q10-Pad3): Q8.2 Q10.3
Net-(Q11-Pad2): Q11.2 Q13.3
Net-(Q12-Pad1): Q8.3 Q12.1 R6.2
Net-(Q12-Pad2): Q12.2 Q14.3
Net-(Q13-Pad1): Q13.1 Q15.3 Q18.1 R9.2
Net-(Q15-Pad2): Q15.2 Q16.3
Net-(Q16-Pad1): Q8.1 Q16.1 Q18.3 R10.2
Net-(Q16-Pad2): Q16.2 Q17.3
Net-(Q18-Pad2): Q18.2 Q19.3
Net-(Q21-Pad2): Q21.2 Q26.3
Net-(Q22-Pad2): Q22.2 Q27.3
Net-(Q23-Pad2): Q23.2 Q28.3
Net-(Q24-Pad2): Q24.2 Q29.3
Net-(Q26-Pad1): Q26.1 Q30.3 R13.2
Net-(Q31-Pad1): Q31.1 Q34.1 Q36.3 Q39.1 R17.2
Net-(Q31-Pad2): Q31.2 Q33.3
Net-(Q32-Pad1): Q32.1 Q40.1 Q42.3 R19.2
Net-(Q32-Pad2): Q32.2 Q34.3
Net-(Q32-Pad3): Q32.3 Q36.1 R15.2
Net-(Q35-Pad2): Q35.2 Q37.3
Net-(Q36-Pad2): Q36.2 Q38.3
Net-(Q37-Pad1): Q37.1 Q39.3 Q42.1 R18.2
Net-(Q39-Pad2): Q39.2 Q40.3
Net-(Q40-Pad2): Q40.2 Q41.3
Net-(Q42-Pad2): Q42.2 Q43.3
Net-(Q45-Pad2): Q45.2 Q46.3
Net-(Q47-Pad2): Q47.2 Q48.2 Q51.3 Q52.3
Net-(Q49-Pad2): Q49.2 Q50.2 Q53.3 Q54.3
Net-(Q54-Pad1): Q54.1 Q55.3 R22.2
Net-(Q56-Pad1): Q56.1 Q59.1 Q61.3 Q64.1 R26.2
Net-(Q56-Pad2): Q56.2 Q58.3
Net-(Q57-Pad1): Q57.1 Q65.1 Q67.3 R28.2
Net-(Q57-Pad2): Q57.2 Q59.3
Net-(Q57-Pad3): Q57.3 Q61.1 R24.2
Net-(Q60-Pad2): Q60.2 Q62.3
Net-(Q61-Pad2): Q61.2 Q63.3
Net-(Q62-Pad1): Q62.1 Q64.3 Q67.1 R27.2
Net-(Q64-Pad2): Q64.2 Q65.3
Net-(Q65-Pad2): Q65.2 Q66.3
Net-(Q67-Pad2): Q67.2 Q68.3
Net-(Q72-Pad1): Q72.1 Q75.1 Q77.3 Q80.1 R33.2
Net-(Q72-Pad2): Q72.2 Q74.3
Net-(Q73-Pad1): Q73.1 Q81.1 Q83.3 R35.2
Net-(Q73-Pad2): Q73.2 Q75.3
Net-(Q73-Pad3): Q73.3 Q77.1 R31.2
Net-(Q76-Pad2): Q76.2 Q78.3
Net-(Q77-Pad2): Q77.2 Q79.3
Net-(Q78-Pad1): Q78.1 Q80.3 Q83.1 R34.2
Net-(Q80-Pad2): Q80.2 Q81.3
Net-(Q81-Pad2): Q81.2 Q82.3
Net-(Q83-Pad2): Q83.2 Q84.3
Net-(Q85-Pad2): Q85.2 Q86.3
Net-(Q87-Pad2): Q87.2 Q88.3
Net-(Q89-Pad1): Q89.1 Q92.1 Q95.3 Q98.1 R42.2
Net-(Q89-Pad2): Q89.2 Q91.3
Net-(Q90-Pad2): Q90.2 Q92.3
Net-(Q90-Pad3): Q90.3 Q95.1 R39.2
Net-(Q94-Pad2): Q94.2 Q96.3
Net-(Q95-Pad2): Q95.2 Q97.3
Net-(Q98-Pad2): Q98.2 Q99.3
Net-(Q100-Pad3): Q99.2 Q100.3
Net-(Q101-Pad1): Q96.1 Q98.3 Q101.1 R43.2
Net-(Q101-Pad2): Q101.2 Q102.3
Net-(Q101-Pad3): Q90.1 Q99.1 Q101.3 R44.2
Net-(Q103-Pad2): Q103.2 Q108.3
Net-(Q104-Pad2): Q104.2 Q109.3
Net-(Q105-Pad2): Q105.2 Q110.3
Net-(Q106-Pad2): Q106.2 Q111.3
Net-(Q108-Pad1): Q108.1 Q112.3 R46.2
Net-(Q113-Pad1): Q113.1 Q116.1 Q119.3 Q122.1 R51.2
Net-(Q113-Pad2): Q113.2 Q115.3
Net-(Q114-Pad1): Q114.1 Q123.1 Q125.3 R53.2
Net-(Q114-Pad2): Q114.2 Q116.3
Net-(Q114-Pad3): Q114.3 Q119.1 R48.2
Net-(Q118-Pad2): Q118.2 Q120.3
Net-(Q119-Pad2): Q119.2 Q121.3
Net-(Q120-Pad1): Q120.1 Q122.3 Q125.1 R52.2
Net-(Q122-Pad2): Q122.2 Q123.3
Net-(Q123-Pad2): Q123.2 Q124.3
Net-(Q125-Pad2): Q125.2 Q126.3
Net-(Q127-Pad2): Q127.2 Q128.3
Net-(Q129-Pad2): Q129.2 Q130.2 Q133.3 Q134.3
Net-(Q131-Pad2): Q131.2 Q132.2 Q135.3 Q136.3
Net-(Q136-Pad1): Q136.1 Q137.3 R55.2
Net-(Q138-Pad1): Q138.1 Q141.1 Q144.3 Q147.1 R60.2
Net-(Q138-Pad2): Q138.2 Q140.3
Net-(Q139-Pad1): Q139.1 Q148.1 Q150.3 R62.2
Net-(Q139-Pad2): Q139.2 Q141.3
Net-(Q139-Pad3): Q139.3 Q144.1 R57.2
Net-(Q143-Pad2): Q143.2 Q145.3
Net-(Q144-Pad2): Q144.2 Q146.3
Net-(Q145-Pad1): Q145.1 Q147.3 Q150.1 R61.2
Net-(Q147-Pad2): Q147.2 Q148.3
Net-(Q148-Pad2): Q148.2 Q149.3
Net-(Q150-Pad2): Q150.2 Q151.3
Net-(Q154-Pad1): Q154.1 Q157.1 Q160.3 Q163.1 R67.2
Net-(Q154-Pad2): Q154.2 Q156.3
Net-(Q155-Pad1): Q155.1 Q164.1 Q166.3 R69.2
Net-(Q155-Pad2): Q155.2 Q157.3
Net-(Q155-Pad3): Q155.3 Q160.1 R64.2
Net-(Q159-Pad2): Q159.2 Q161.3
Net-(Q160-Pad2): Q160.2 Q162.3
Net-(Q161-Pad1): Q161.1 Q163.3 Q166.1 R68.2
Net-(Q163-Pad2): Q163.2 Q164.3
Net-(Q164-Pad2): Q164.2 Q165.3
Net-(Q166-Pad2): Q166.2 Q167.3
Net-(Q168-Pad2): Q168.2 Q171.3
Net-(Q169-Pad2): Q169.2 Q172.3
Net-(Q170-Pad2): Q170.2 Q171.2 Q175.3
Net-(Q172-Pad2): Q172.2 Q173.2 Q174.3
Net-(Q174-Pad2): Q174.2 Q175.2 Q176.1 Q178.3 R76.2
Net-(Q176-Pad2): Q176.2 Q179.3 Q180.3
Net-(Q178-Pad2): Q178.2 Q181.3
Net-(Q179-Pad2): Q179.2 Q182.3
Net-(Q189-Pad2): Q189.2 Q192.3
Net-(Q199-Pad2): Q199.2 Q205.3 Q206.3
Net-(Q201-Pad2): Q201.2 Q204.3
Net-(Q203-Pad2): Q203.2 Q208.3 Q209.3
Net-(Q204-Pad2): Q204.2 Q207.3
Net-(Q207-Pad2): Q207.2 Q210.3
Net-(Q208-Pad2): Q208.2 Q209.2 Q211.3
Net-(Q211-Pad2): Q211.2 Q214.3
Net-(Q212-Pad2): Q212.2 Q213.2 Q216.3 Q217.3
Net-(Q214-Pad2): Q214.2 Q215.3
Net-(Q216-Pad2): Q216.2 Q219.3 Q220.3
Net-(Q218-Pad2): Q218.2 Q221.3 Q222.3 Q223.3 Q224.3 Q225.3
Net-(Q228-Pad2): Q228.2 Q229.2 Q232.3
Net-(Q228-Pad3): Q228.3 Q229.1 Q230.1 R93.2 R95.2
Net-(Q229-Pad3): Q229.3 R99.2
Net-(Q230-Pad3): Q230.3 Q231.1 R96.2
Net-(Q232-Pad2): Q232.2 Q235.3
Net-(Q236-Pad2): Q236.2 Q238.3
Net-(Q236-Pad3): Q236.3 Q237.1 R100.2
Net-(Q237-Pad2): Q237.2 Q239.3
Net-(Q240-Pad2): Q240.2 Q241.2 Q242.3
Net-(Q241-Pad3): Q241.3 R107.2
Net-(Q243-Pad2): Q243.2 Q244.3
Net-(Q243-Pad3): Q243.3 Q246.1 R108.2
Net-(Q244-Pad1): Q244.1 Q245.3 Q252.1 Q258.1 R109.2
Net-(Q245-Pad2): Q245.2 Q247.3
Net-(Q246-Pad2): Q246.2 Q248.3
Net-(Q246-Pad3): Q246.3 Q253.1 Q256.1 R110.2
Net-(Q248-Pad1): Q248.1 Q251.3 R113.2
Net-(Q249-Pad1): Q249.1 Q250.3 R105.2
Net-(Q251-Pad2): Q251.2 Q252.3
Net-(Q253-Pad2): Q253.2 Q255.3
Net-(Q253-Pad3): Q253.3 Q257.1 R114.2
Net-(Q254-Pad1): Q254.1 Q255.1 Q256.3 Q266.1 R116.2
Net-(Q254-Pad2): Q254.2 Q258.3
Net-(Q254-Pad3): Q254.3 Q264.1 R115.2
Net-(Q256-Pad2): Q256.2 Q259.3
Net-(Q257-Pad2): Q257.2 Q260.3
Net-(Q260-Pad1): Q260.1 Q262.3 R120.2
Net-(Q262-Pad2): Q262.2 Q266.3
Net-(Q263-Pad2): Q263.2 Q267.3
Net-(Q264-Pad2): Q264.2 Q268.3
Net-(Q265-Pad2): Q265.2 Q269.3
Net-(Q267-Pad2): Q267.2 Q274.3
Net-(Q268-Pad2): Q268.2 Q269.2 Q279.3
Net-(Q270-Pad2): Q270.2 Q275.3
Net-(Q271-Pad2): Q271.2 Q276.3
Net-(Q272-Pad2): Q272.2 Q277.3
Net-(Q273-Pad2): Q273.2 Q278.3
Net-(Q275-Pad2): Q275.2 Q276.2 Q280.3
Net-(Q277-Pad2): Q277.2 Q278.2 Q281.3
Net-(Q284-Pad2): Q284.2 Q285.3
Net-(Q286-Pad2): Q286.2 Q287.3
Net-(Q288-Pad1): Q288.1 Q291.1 Q294.3 Q297.1 R129.2
Net-(Q288-Pad2): Q288.2 Q290.3
Net-(Q289-Pad1): Q289.1 Q298.1 Q300.3 R131.2
Net-(Q289-Pad2): Q289.2 Q291.3
Net-(Q289-Pad3): Q289.3 Q294.1 R126.2
Net-(Q293-Pad2): Q293.2 Q295.3
Net-(Q294-Pad2): Q294.2 Q296.3
Net-(Q295-Pad1): Q295.1 Q297.3 Q300.1 R130.2
Net-(Q297-Pad2): Q297.2 Q298.3
Net-(Q298-Pad2): Q298.2 Q299.3
Net-(Q300-Pad2): Q300.2 Q301.3
Net-(Q302-Pad2): Q302.2 Q307.3
Net-(Q303-Pad2): Q303.2 Q308.3
Net-(Q304-Pad2): Q304.2 Q309.3
Net-(Q305-Pad2): Q305.2 Q310.3
Net-(Q307-Pad1): Q307.1 Q311.3 R133.2
Net-(Q312-Pad1): Q312.1 Q315.1 Q318.3 Q321.1 R138.2
Net-(Q312-Pad2): Q312.2 Q314.3
Net-(Q313-Pad1): Q313.1 Q322.1 Q324.3 R140.2
Net-(Q313-Pad2): Q313.2 Q315.3
Net-(Q313-Pad3): Q313.3 Q318.1 R135.2
Net-(Q317-Pad2): Q317.2 Q319.3
Net-(Q318-Pad2): Q318.2 Q320.3
Net-(Q319-Pad1): Q319.1 Q321.3 Q324.1 R139.2
Net-(Q321-Pad2): Q321.2 Q322.3
Net-(Q322-Pad2): Q322.2 Q323.3